# Altium PCB PCB1.PcbDoc (part 1 of 2)
Units mm, origin at the board's own origin, x right, y up, seen from the top; angles counter-clockwise.
Board outline 100 x 68 mm, 2 copper layers (Top Layer, Bottom Layer); 243 components, 316 nets, 1155 pads, 13 vias.
Unrouted connection lines stored in the file: 557.
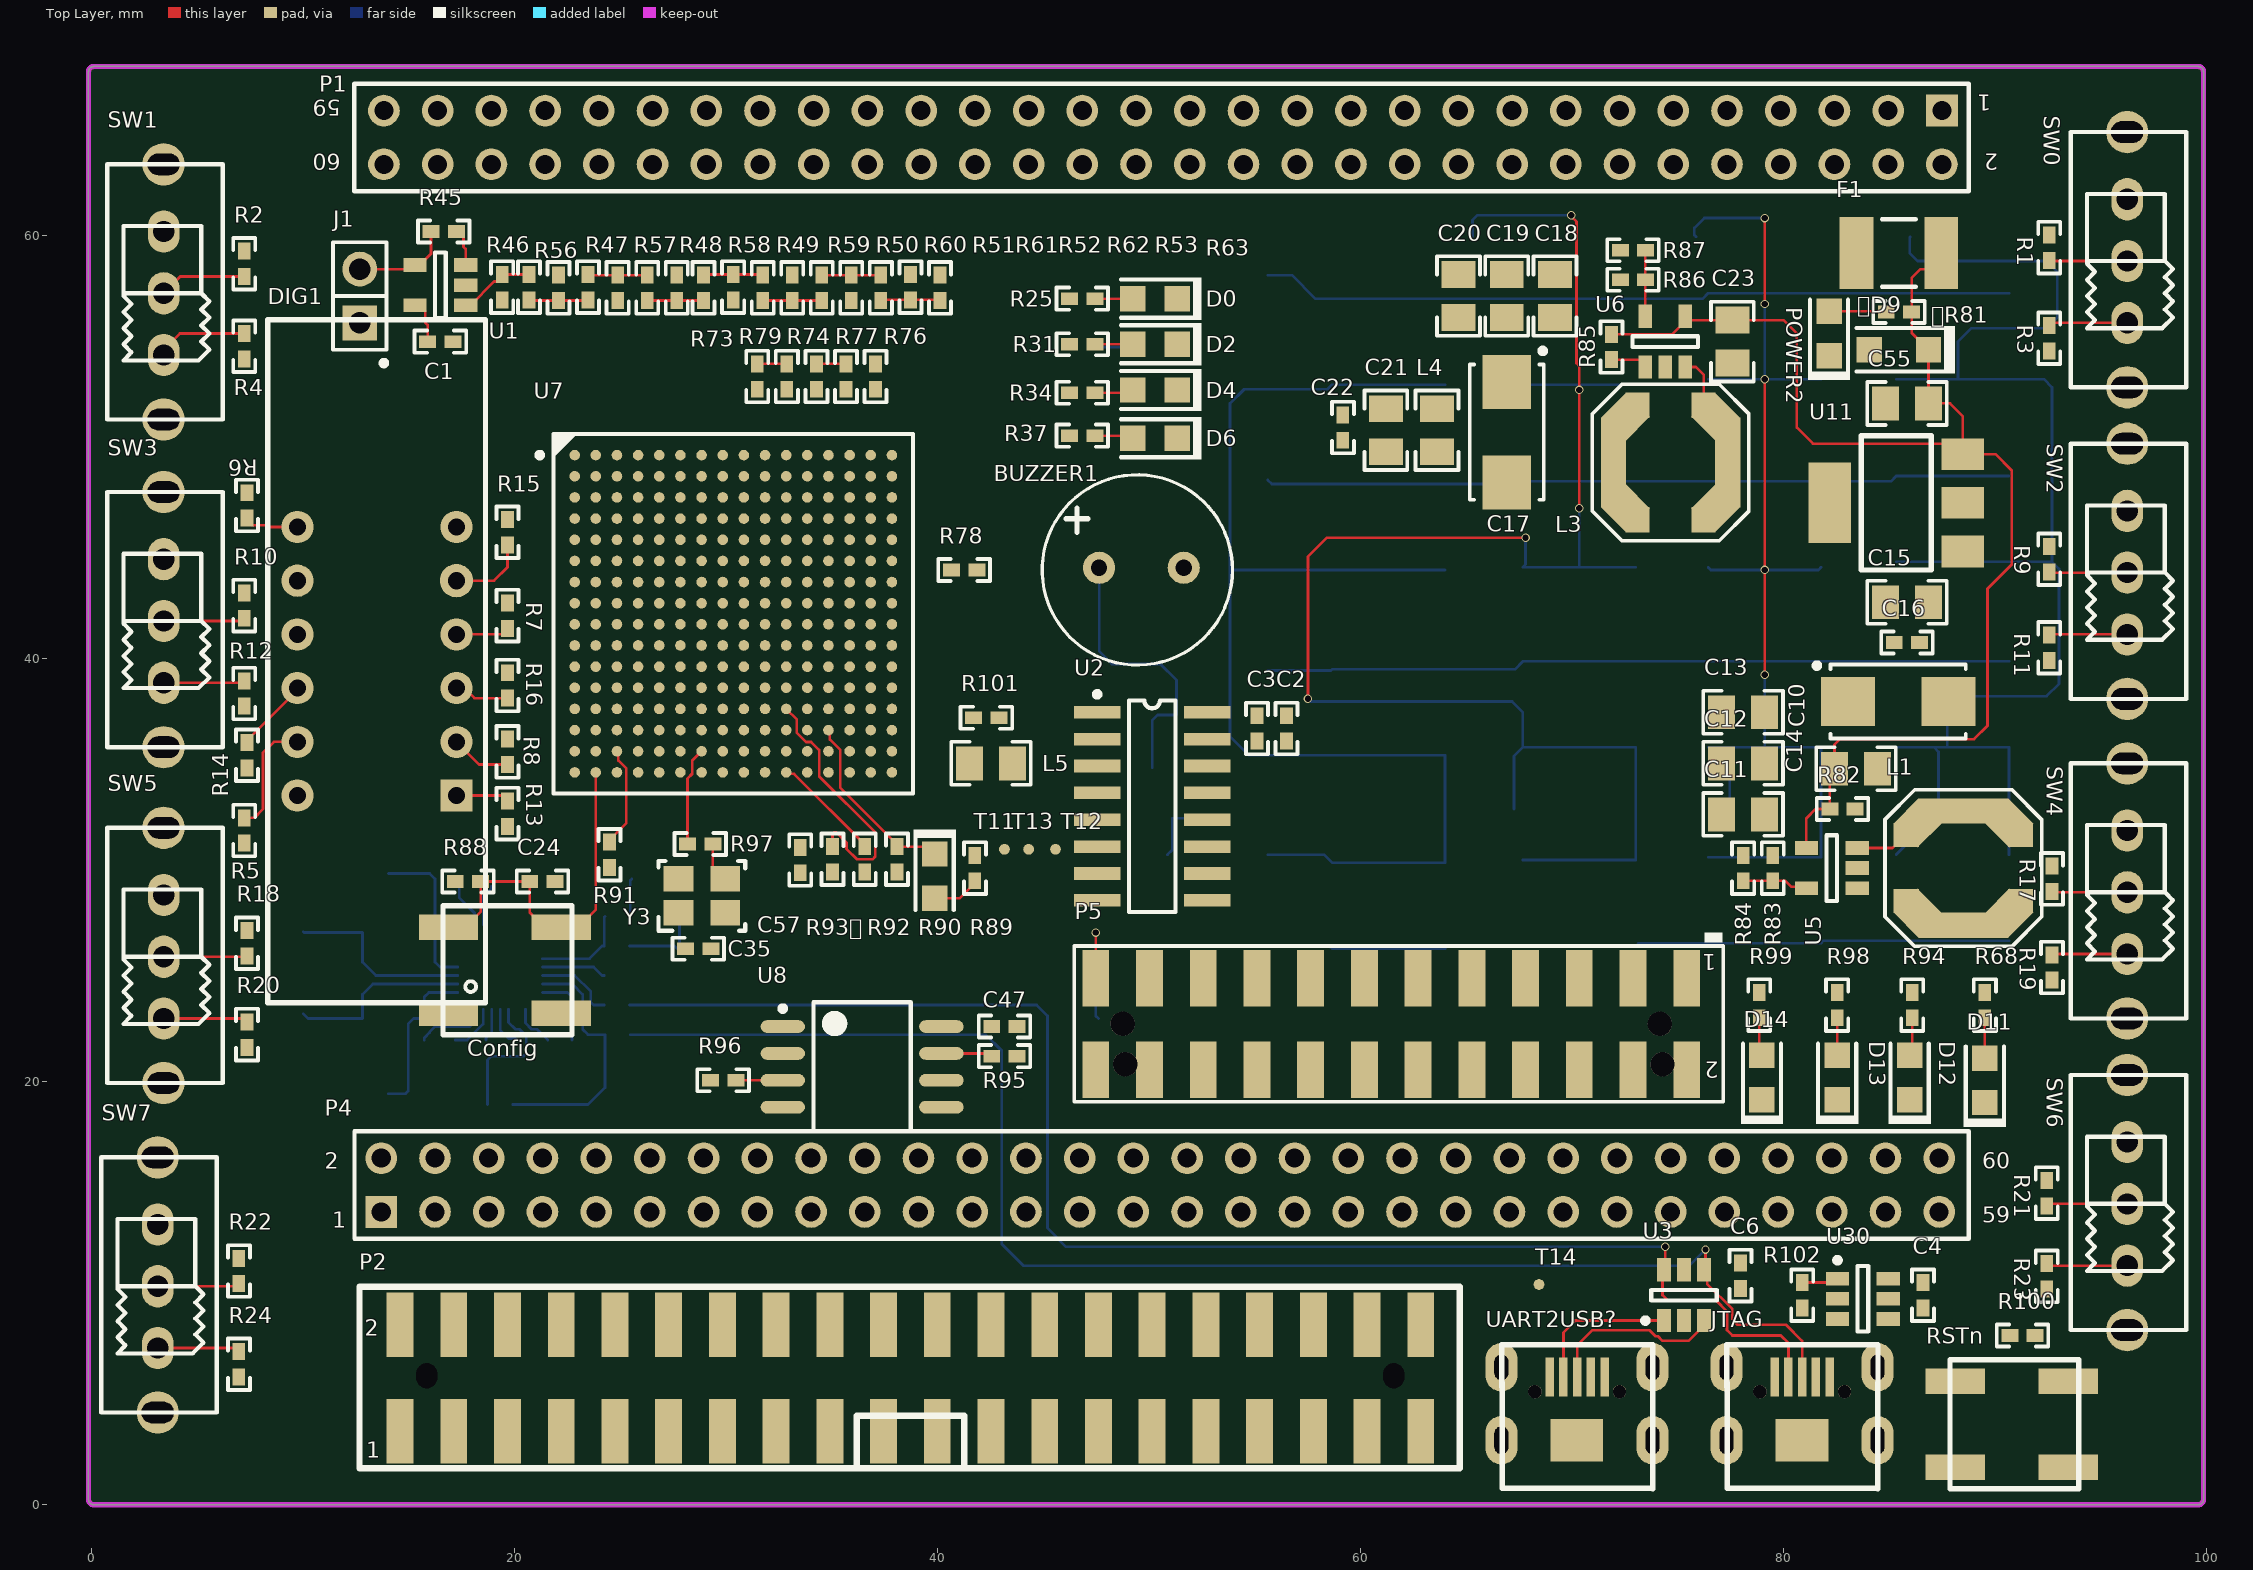
[diagram p0: Top Layer view]
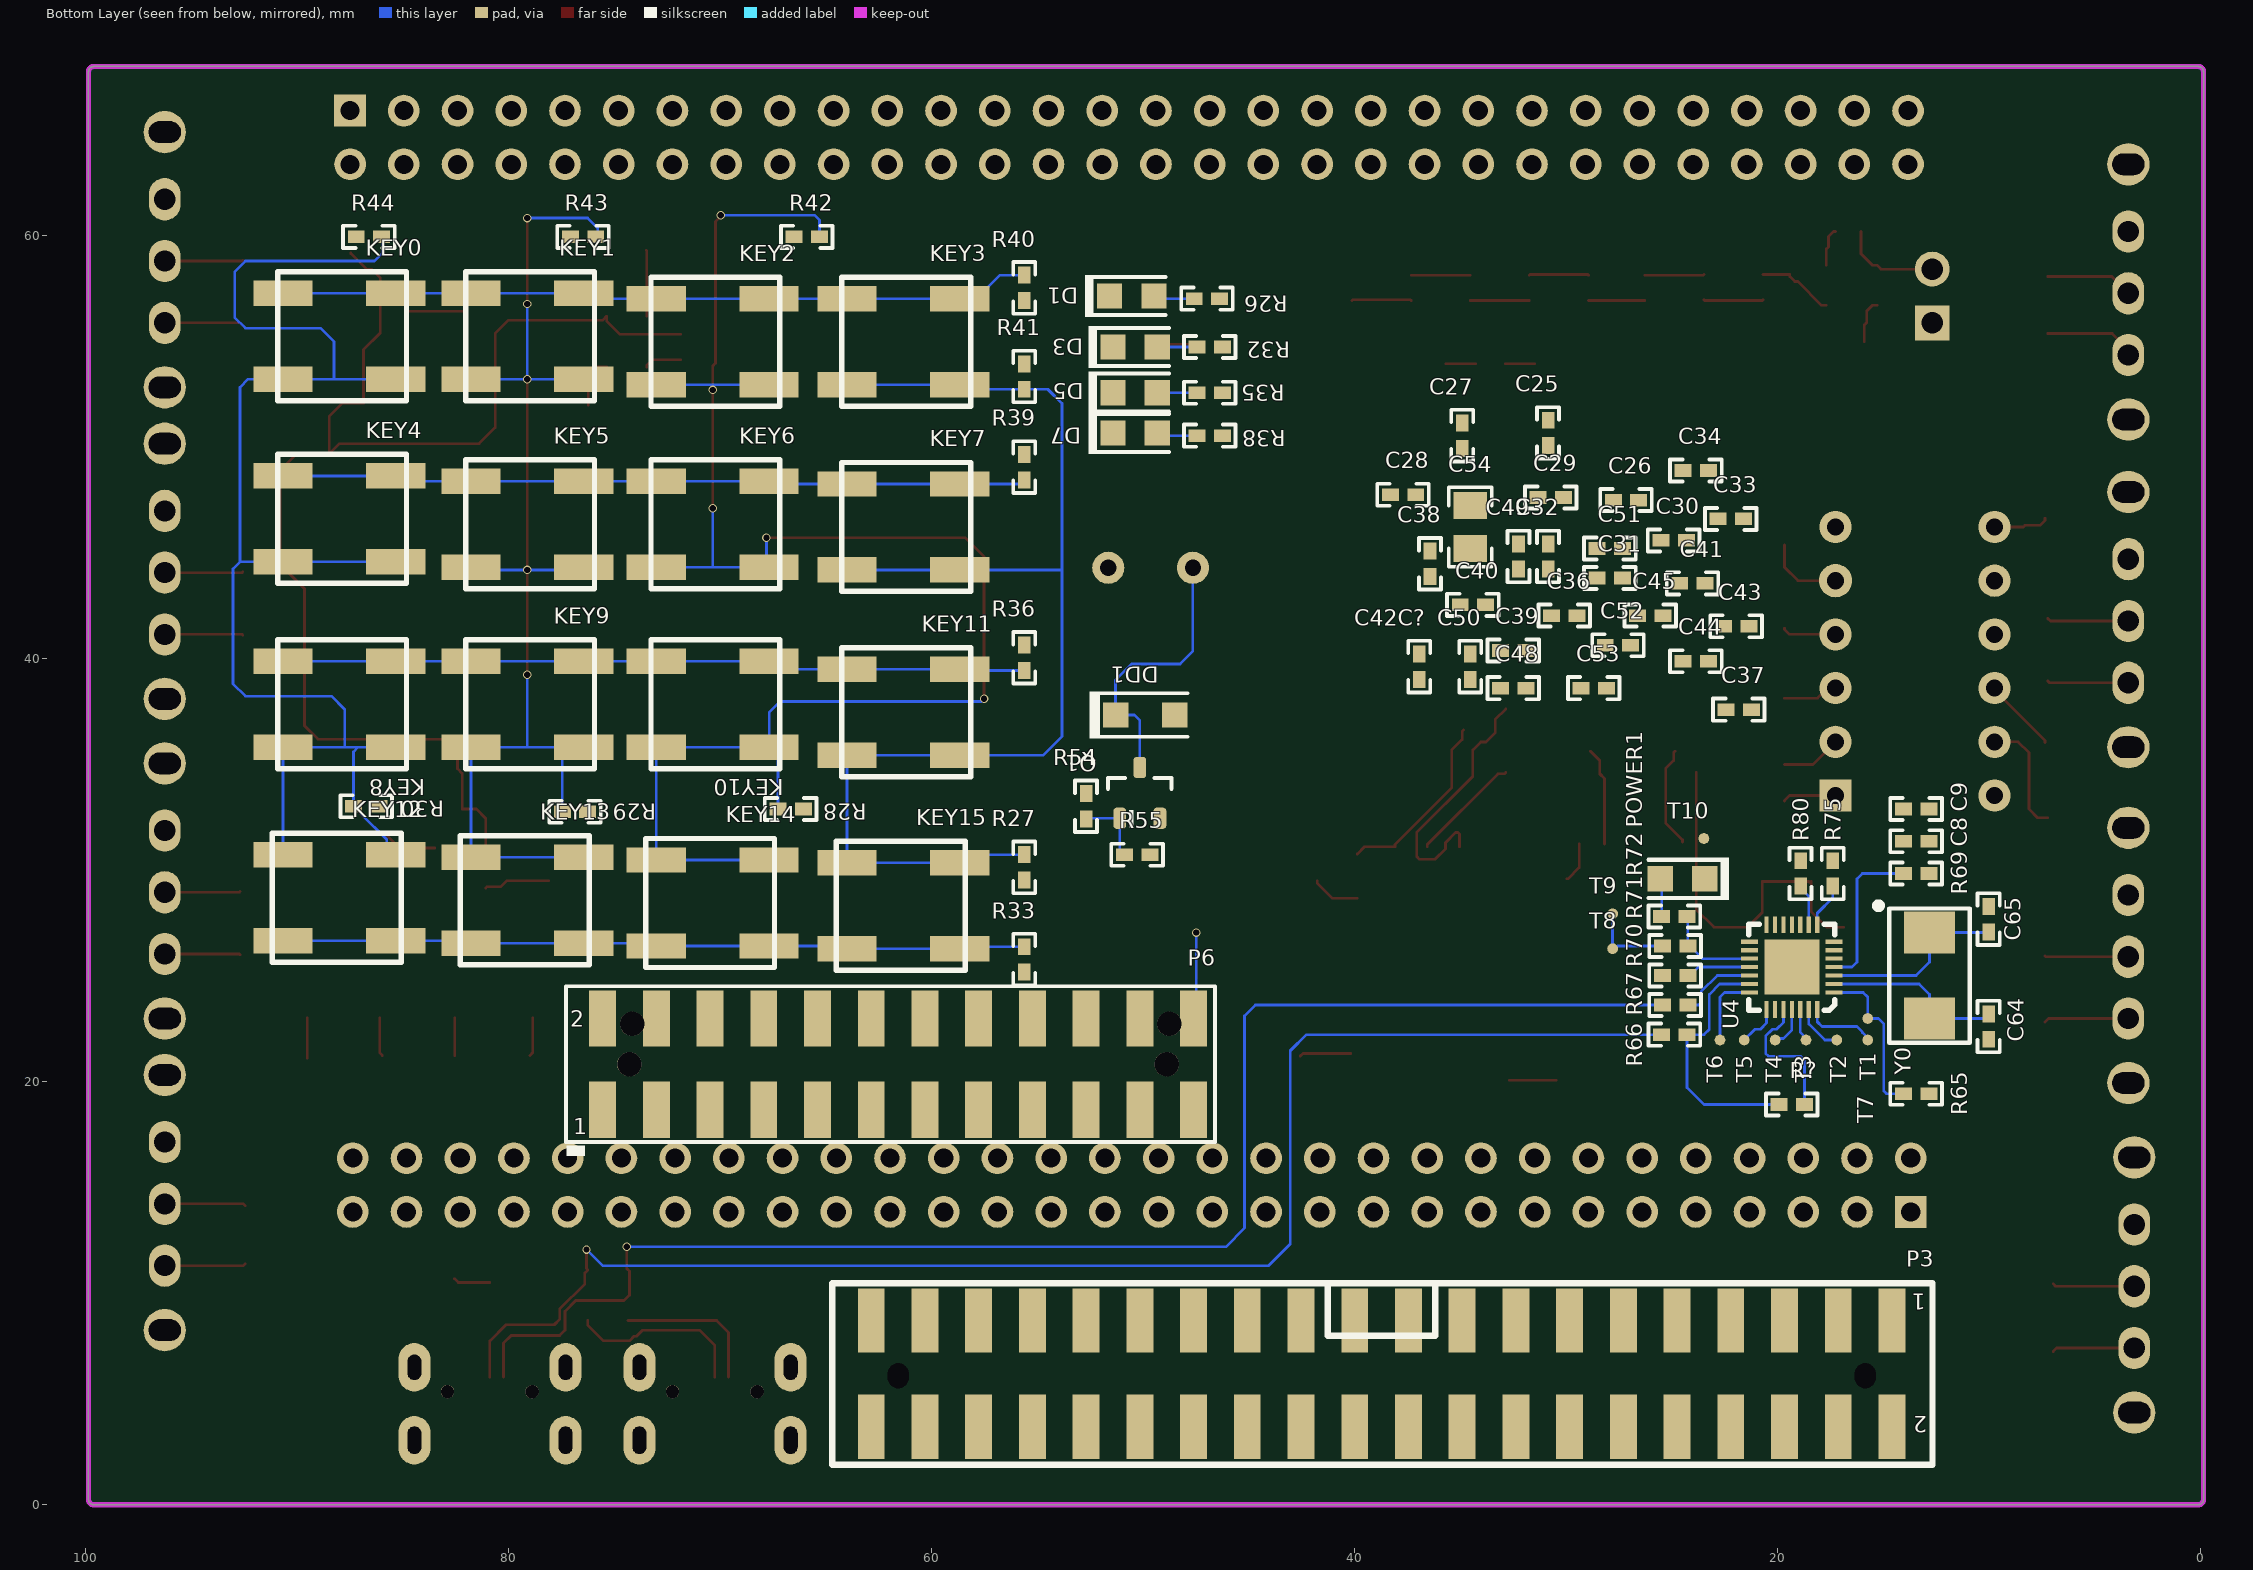
[diagram p1: Bottom Layer view, seen from below]

## Layer stack, top to bottom
Top Solder: solder mask 0.0102, Solder Resist, Dk 3.5
Top Layer: signal copper 0.0356
Dielectric 1: dielectric 0.32, FR-4, Dk 4.8
Bottom Layer: signal copper 0.0356
Bottom Solder: solder mask 0.0102, Solder Resist, Dk 3.5

## Board outline
-0.127,0.254 -0.127,67.746 cw(c0.127,67.746) 0.127,68 99.619,68 cw(c99.619,67.746) 99.873,67.746 99.873,0.254 cw(c99.619,0.254) 99.619,0 0.127,0 cw(c0.127,0.254)

## Design rules (kind name [scope] priority, off if disabled: settings)
Clearance [All] p1: gap=0.127 ignorepadtopadclearanceinfootprint=FALSE
PolygonConnect [All] p1: connectstyle=Relief reliefconductorwidth=0.254 reliefentries=4 polygonreliefangle="90 Angle" airgapwidth=0.254
RoutingVias [All] p1: holewidth=0.3 width=0.4 viastyle="Through Hole" minholewidth=0.3 minwidth=0.4 maxholewidth=0.3 maxwidth=0.4
SolderMaskExpansion [All] p1: expansion=0.102 istentingtop=FALSE
Width [All] p1: maxlimit=0.254 minlimit=0.127 preferedwidth=0.127
30 further rules are at their usual default settings.

## Components (designator, comment, footprint, x,y, rotation, side; value= is the part's Value field where it differs from the comment)
D9 "1N5819" SOD-123F 85.471,54.61 r180 top value=20V (schematic designator D9)
R81 "CRCW04022K21FKED" 0402 85.471,56.388 r180 top value=2.21k (schematic designator R81)
BUZZER1 "直插9040无源蜂鸣器" BUZZER_9*9_4MM 49.657,44.196 r0 top value={Value}
C1 "C1005X7R1H104M" 0402 16.51,54.991 r0 top value=0.1uF
C2 "C1005X7R1H104M" 0402 56.515,36.703 r270 top value=0.1uF
C3 "C1005X7R1H104M" 0402 55.118,36.703 r270 top value=0.1uF
C4 "C1005X7R1H104M" 0402 86.614,9.906 r270 top value=0.1uF
C6 "C1005X7R1H104M" 0402 77.978,10.83 r90 top value=0.1uF
C8 "GRM1555C1H220FA01D" 0402 13.462,31.369 r0 bottom value=22pF
C9 "C1005X7R1H104M" 0402 13.462,32.893 r0 bottom value=0.1uF
C10 "Y" 6032-28 85.433,37.973 r0 top value=22uF
C11 "GRM21BC81C475KA88L" 0805_HV 78.105,32.639 r180 top value=4.7uF
C12 "GRM21BC81C475KA88L" 0805_HV 78.105,35.052 r180 top value=4.7uF
C13 "GRM21BC81C475KA88L" 0805_HV 78.105,37.465 r180 top value=4.7uF
C14 "GRM21BC81C475KA88L" 0805_HV 83.439,34.798 r0 top value=4.7uF
C15 "GRM21BC81C475KA88L" 0805_HV 85.852,42.672 r0 top value=4.7uF
C16 "C1005X7R1H104M" 0402 85.852,40.767 r0 top value=0.1uF
C17 "Y" 6032-28 66.929,50.711 r270 top value=22uF
C18 "GRM21BC81C475KA88L" 0805_HV 69.215,57.15 r90 top value=4.7uF
C19 "GRM21BC81C475KA88L" 0805_HV 66.929,57.15 r90 top value=4.7uF
C20 "GRM21BC81C475KA88L" 0805_HV 64.643,57.15 r90 top value=4.7uF
C21 "GRM21BC81C475KA88L" 0805_HV 61.214,50.8 r90 top value=4.7uF
C22 "C1005X7R1H104M" 0402 59.182,50.927 r90 top value=0.1uF
C23 "GRM21BC81C475KA88L" 0805_HV 77.597,54.991 r270 top value=4.7uF
C24 "C1005X7R1H104M" 0402 21.336,29.464 r0 top value=0.1uF
C25 "C1005X7R1H104M" 0402 30.861,50.673 r90 bottom value=0.1uF
C26 "C1005X7R1H104M" 0402 27.178,47.498 r180 bottom value=0.1uF
C27 "C1005X7R1H104M" 0402 34.925,50.546 r90 bottom value=0.1uF
C28 "C0402C103J5RACTU" 0402 37.719,47.752 r0 bottom value=0.01uF
C29 "C1005X7R1H104M" 0402 30.734,47.625 r180 bottom value=0.1uF
C30 "C1005X7R1H104M" 0402 24.927,45.593 r180 bottom value=0.1uF
C31 "C1005X7R1H104M" 0402 27.94,43.815 r180 bottom value=0.1uF
C32 "C0402C103J5RACTU" 0402 30.861,44.831 r90 bottom value=0.01uF
C33 "C1005X7R1H104M" 0402 22.225,46.609 r180 bottom value=0.1uF
C34 "C1005X7R1H104M" 0402 23.876,48.895 r180 bottom value=0.1uF
C35 "C1005X7R1H104M" 0402 28.702,26.289 r180 top value=0.1uF
C36 "C1005X7R1H104M" 0402 30.099,42.037 r180 bottom value=0.1uF
C37 "C1005X7R1H104M" 0402 21.844,37.592 r180 bottom value=0.1uF
C38 "C1005X7R1H104M" 0402 36.449,44.485 r90 bottom value=0.1uF
C39 "C0402C103J5RACTU" 0402 32.512,40.386 r180 bottom value=0.01uF
C40 "C1005X7R1H104M" 0402 34.417,42.545 r180 bottom value=0.1uF
C41 "C1005X7R1H104M" 0402 24.038,43.561 r180 bottom value=0.1uF
C42C? "C1005X7R1H104M" 0402 36.957,39.624 r90 bottom value=0.1uF
C43 "C0402C103J5RACTU" 0402 21.971,41.529 r180 bottom value=0.01uF
C44 "C1005X7R1H104M" 0402 23.876,39.878 r180 bottom value=0.1uF
C45 "C1005X7R1H104M" 0402 26.035,42.037 r180 bottom value=0.1uF
C47 "C1005X7R1H104M" 0402 43.18,22.606 r0 top value=0.1uF
C48 "C1005X7R1H104M" 0402 32.512,38.608 r0 bottom value=0.1uF
C49 "C1005X7R1H104M" 0402 32.258,44.831 r90 bottom value=0.1uF
C50 "C1005X7R1H104M" 0402 34.544,39.624 r270 bottom value=0.1uF
C51 "C0402C103J5RACTU" 0402 27.94,45.212 r180 bottom value=0.01uF
C52 "C1005X7R1H104M" 0402 27.559,40.64 r180 bottom value=0.1uF
C53 "C1005X7R1H104M" 0402 28.702,38.608 r180 bottom value=0.1uF
C54 "GRM21BC81C475KA88L" 0805_HV 34.544,46.228 r90 bottom value=4.7uF
C55 "GRM21BC81C475KA88L" 0805_HV 85.852,52.07 r180 top value=4.7uF
C57 "C1005X7R1H104M" 0402 33.528,30.48 r270 top value=0.1uF
C64 "GRM1555C1H220FA01D" 0402 10.033,22.606 r270 bottom value=22pF
C65 "GRM1555C1H220FA01D" 0402 10.033,27.686 r90 bottom value=22pF
Config "贴片按键" "BUTTOM_T_6*6 *4.3" 19.685,25.273 r0 top
D0 "LED 红色" LED_LTST-C170 50.292,57.023 r0 top
D1 "LED 红色" LED_LTST-C170 50.546,57.15 r0 bottom
D2 "LED 红色" LED_LTST-C170 50.292,54.864 r0 top
D3 "LED 红色" LED_LTST-C170 50.385,54.737 r0 bottom
D4 "LED 红色" LED_LTST-C170 50.292,52.705 r0 top
D5 "LED 红色" LED_LTST-C170 50.385,52.578 r0 bottom
D6 "LED 红色" LED_LTST-C170 50.292,50.419 r0 top
D7 "LED 红色" LED_LTST-C170 50.385,50.673 r0 bottom
D11 "LED 红色" LED_LTST-C170 89.535,20.066 r270 top
D12 "LED 红色" LED_LTST-C170 85.979,20.193 r270 top
D13 "LED 红色" LED_LTST-C170 82.55,20.193 r270 top
D14 "LED 红色" LED_LTST-C170 78.994,20.193 r270 top
DD1 "1N5819" SOD-123F 49.911,37.338 r180 bottom value=20V
DIG1 "CS32841A" CS2845AUR 14.324,40.259 r90 top
F1 "SMD1812P050TF" 1812 85.471,59.182 r0 top
J1 "Y" Samtec_HTSW-102-07-G-S 12.7,57.15 r90 top
JTAG "micro-usb-sj20" YQMICRO-USB-SJ20 77.339,3.023 r90 top
KEY0 "贴片按键" "BUTTOM_T_6*6 *4.3" 87.884,55.245 r180 bottom
KEY1 "贴片按键" "BUTTOM_T_6*6 *4.3" 78.994,55.245 r180 bottom
KEY2 "贴片按键" "BUTTOM_T_6*6 *4.3" 70.231,54.991 r180 bottom
KEY3 "贴片按键" "BUTTOM_T_6*6 *4.3" 61.214,54.991 r180 bottom
KEY4 "贴片按键" "BUTTOM_T_6*6 *4.3" 87.884,46.609 r180 bottom
KEY5 "贴片按键" "BUTTOM_T_6*6 *4.3" 78.994,46.355 r180 bottom
KEY6 "贴片按键" "BUTTOM_T_6*6 *4.3" 70.231,46.355 r180 bottom
KEY7 "贴片按键" "BUTTOM_T_6*6 *4.3" 61.214,46.228 r180 bottom
KEY8 "贴片按键" "BUTTOM_T_6*6 *4.3" 87.884,37.846 r180 bottom
KEY9 "贴片按键" "BUTTOM_T_6*6 *4.3" 78.994,37.846 r180 bottom
KEY10 "贴片按键" "BUTTOM_T_6*6 *4.3" 70.231,37.846 r180 bottom
KEY11 "贴片按键" "BUTTOM_T_6*6 *4.3" 61.214,37.465 r180 bottom
KEY12 "贴片按键" "BUTTOM_T_6*6 *4.3" 88.138,28.702 r0 bottom
KEY13 "贴片按键" "BUTTOM_T_6*6 *4.3" 79.248,28.575 r0 bottom
KEY14 "贴片按键" "BUTTOM_T_6*6 *4.3" 70.485,28.448 r0 bottom
KEY15 "贴片按键" "BUTTOM_T_6*6 *4.3" 61.468,28.321 r0 bottom
L1 "SWPA6028S4R7MT" LPS6225 88.519,30.099 r270 top value=10uH
L3 "SWPA6028S4R7MT" LPS6225 74.676,49.276 r180 top value=10uH
L4 "GZ2012V121TF" 0805_HV 63.627,50.8 r270 top value="120 ohm"
L5 "GZ2012V121TF" 0805_HV 42.545,35.052 r0 top value="120 ohm"
P1 "Y" HDR2X30 87.503,65.913 r180 top
P2 "贴片2.54mm，2x20,双排母,有固定柱" DC3-40P-T-MIMI 14.605,4.699 r0 top
P3 "贴片2.54mm，2x20,双排母,有固定柱" DC3-40P-T-MIMI 14.605,7.493 r0 bottom
P4 "Y" HDR2X30 13.716,13.843 r0 top
P5 "Y" YQ2*12-SMT 61.468,22.733 r90 top
P6 "Header 12X2  贴片黄色排母,有固定柱" YQ2*12-SMT 61.595,20.828 r270 bottom
POWER1 "LED 红色" LED_LTST-C170 24.511,29.591 r180 bottom
POWER2 "LED 红色" LED_LTST-C170 82.169,55.372 r270 top
Q1 "MMBT3906" SOT-23 50.165,33.655 r90 bottom value="40 V"
R1 "CRCW04021K00FKED" 0402 92.583,59.436 r270 top value=1.00k
R2 "CRCW04021K00FKED" 0402 7.239,58.674 r270 top value=1.00k
R3 "CRCW04021K00FKED" 0402 92.583,55.153 r270 top value=1.00k
R4 "CRCW04021K00FKED" 0402 7.239,54.772 r270 top value=1.00k
R5 "RG1005P-301-B-T5" 0402 7.239,31.877 r90 top value=300
R6 "RG1005P-301-B-T5" 0402 7.366,47.244 r270 top value=300
R7 "RG1005P-301-B-T5" 0402 19.685,42.037 r270 top value=300
R8 "RG1005P-301-B-T5" 0402 19.685,35.595 r270 top value=300
R9 "CRCW04021K00FKED" 0402 92.583,44.704 r270 top value=1.00k
R10 "CRCW04021K00FKED" 0402 7.239,42.51 r270 top value=1.00k
R11 "CRCW04021K00FKED" 0402 92.583,40.513 r270 top value=1.00k
R12 "CRCW04021K00FKED" 0402 7.239,38.354 r270 top value=1.00k
R13 "RG1005P-301-B-T5" 0402 19.685,32.674 r90 top value=300
R14 "RG1005P-301-B-T5" 0402 7.366,35.433 r90 top value=300
R15 "RG1005P-301-B-T5" 0402 19.685,45.974 r270 top value=300
R16 "RG1005P-301-B-T5" 0402 19.685,38.735 r270 top value=300
R17 "CRCW04021K00FKED" 0402 92.71,29.591 r270 top value=1.00k
R18 "CRCW04021K00FKED" 0402 7.366,26.543 r270 top value=1.00k
R19 "CRCW04021K00FKED" 0402 92.71,25.4 r270 top value=1.00k
R20 "CRCW04021K00FKED" 0402 7.366,22.225 r270 top value=1.00k
R21 "CRCW04021K00FKED" 0402 92.456,14.732 r270 top value=1.00k
R22 "CRCW04021K00FKED" 0402 6.985,11.049 r270 top value=1.00k
R23 "CRCW04021K00FKED" 0402 92.456,10.795 r270 top value=1.00k
R24 "CRCW04021K00FKED" 0402 6.985,6.639 r270 top value=1.00k
R25 "CRCW04022K21FKED" 0402 46.863,57.023 r0 top value=2.21k
R26 "CRCW04022K21FKED" 0402 46.99,57.023 r0 bottom value=2.21k
R27 "CRCW040210K0FKED" 0402 55.626,30.134 r270 bottom value=10.0k
R28 "CRCW040210K0FKED" 0402 66.675,32.893 r180 bottom value=10.0k
R29 "CRCW040210K0FKED" 0402 76.87,32.766 r180 bottom value=10.0k
R30 "CRCW040210K0FKED" 0402 86.741,33.02 r180 bottom value=10.0k
R31 "CRCW04022K21FKED" 0402 46.863,54.864 r0 top value=2.21k
R32 "CRCW04022K21FKED" 0402 46.863,54.737 r0 bottom value=2.21k
R33 "CRCW0402100RFKED" 0402 55.626,25.781 r90 bottom value=100
R34 "CRCW04022K21FKED" 0402 46.863,52.578 r0 top value=2.21k
R35 "CRCW04022K21FKED" 0402 46.863,52.578 r0 bottom value=2.21k
R36 "CRCW0402100RFKED" 0402 55.626,40.04 r270 bottom value=100
R37 "CRCW04022K21FKED" 0402 46.863,50.546 r0 top value=2.21k
R38 "CRCW04022K21FKED" 0402 46.863,50.546 r0 bottom value=2.21k
R39 "CRCW0402100RFKED" 0402 55.626,49.057 r270 bottom value=100
R40 "CRCW0402100RFKED" 0402 55.626,57.531 r90 bottom value=100
R41 "CRCW0402100RFKED" 0402 55.626,53.34 r270 bottom value=100
R42 "CRCW0402100RFKED" 0402 65.913,59.944 r180 bottom value=100
R43 "CRCW0402100RFKED" 0402 76.489,59.944 r180 bottom value=100
R44 "CRCW0402100RFKED" 0402 86.614,59.944 r180 bottom value=100
R45 "CRCW04021K00FKED" 0402 16.672,60.198 r0 top value=1.00k
R46 "CRCW040220K0FKED" 0402 19.431,57.566 r270 top value=20.0k
R47 "CRCW040220K0FKED" 0402 22.098,57.531 r90 top value=20.0k
R48 "CRCW040220K0FKED" 0402 24.892,57.531 r270 top value=20.0k
R49 "CRCW040220K0FKED" 0402 27.686,57.531 r90 top value=20.0k
R50 "CRCW040220K0FKED" 0402 30.353,57.566 r270 top value=20.0k
R51 "CRCW040220K0FKED" 0402 33.147,57.531 r90 top value=20.0k
R52 "CRCW040220K0FKED" 0402 35.941,57.531 r270 top value=20.0k
R53 "CRCW040220K0FKED" 0402 38.735,57.566 r90 top value=20.0k
R54 "CRCW040210K0FKED" 0402 52.705,33.02 r90 bottom value=10.0k
R55 "CRCW04022K21FKED" 0402 50.292,30.734 r0 bottom value=2.21k
R56 "CRCW040210K0FKED" 0402 20.701,57.566 r270 top value=10.0k
R57 "CRCW040210K0FKED" 0402 23.495,57.566 r90 top value=10.0k
R58 "CRCW040210K0FKED" 0402 26.289,57.531 r270 top value=10.0k
R59 "CRCW040210K0FKED" 0402 28.956,57.531 r90 top value=10.0k
R60 "CRCW040210K0FKED" 0402 31.75,57.531 r270 top value=10.0k
R61 "CRCW040210K0FKED" 0402 34.544,57.531 r90 top value=10.0k
R62 "CRCW040210K0FKED" 0402 37.338,57.531 r270 top value=10.0k
R63 "CRCW040220K0FKED" 0402 40.132,57.531 r270 top value=20.0k
R65 "CRCW040210K0FKED" 0402 13.462,19.431 r0 bottom value=10.0k
R66 "CRCW040222R1FKED" 0402 24.892,22.225 r0 bottom value=22.1
R67 "CRCW040222R1FKED" 0402 24.857,23.622 r0 bottom value=22.1
R68 "CRCW04022K21FKED" 0402 89.535,23.622 r270 top value=2.21k
R69 "CRCW04021K50FKED" 0402 13.462,29.845 r0 bottom value=1.50k
R70 "CRCW04020000Z0ED" 0402 24.857,25.019 r0 bottom value=0
R71 "CRCW04020000Z0ED" 0402 24.857,26.416 r0 bottom value=0
R72 "CRCW04022K21FKED" 0402 24.892,27.813 r180 bottom value=2.21k
R73 "CRCW04024K75FKED" 0402 31.496,53.34 r270 top value=4.75k
R74 "CRCW04024K75FKED" 0402 34.29,53.34 r270 top value=4.75k
R75 "CRCW04020000Z0ED" 0402 17.399,29.845 r270 bottom value=0
R76 "CRCW04020000Z0ED" 0402 37.084,53.34 r270 top value=0
R77 "CRCW04020000Z0ED" 0402 35.687,53.34 r270 top value=0
R78 "CRCW04020000Z0ED" 0402 41.275,44.196 r180 top value=0
R79 "CRCW04020000Z0ED" 0402 32.893,53.34 r270 top value=0
R80 "CRCW04020000Z0ED" 0402 18.923,29.845 r270 bottom value=0
R82 "CRCW040210K0FKED" 0402 82.804,32.893 r0 top value=10.0k
R83 "CRCW040210K0FKED" 0402 79.502,30.099 r90 top value=10.0k
R84 "CRCW040210K0FKED" 0402 78.105,30.099 r270 top value=10.0k
R85 "CRCW040210K0FKED" 0402 71.882,54.737 r270 top value=10.0k
R86 "CRCW040249K9FKED" 0402 72.898,57.912 r180 top value=49.9k
R87 "CRCW040211K0FKED" 0402 72.898,59.309 r0 top value=11.0k
R88 "CRCW040210K0FKED" 0402 17.815,29.464 r180 top value=10.0k
R89 "CRCW04022K21FKED" 0402 41.783,30.099 r90 top value=2.21k
R90 "CRCW040210K0FKED" 0402 38.1,30.515 r270 top value=10.0k
R91 "CRCW040210K0FKED" 0402 24.511,30.734 r270 top value=10.0k
R92 "CRCW0402470RJNED" 0402 36.576,30.515 r90 top value=470
R93 "CRCW0402470RJNED" 0402 35.052,30.515 r90 top value=470 (schematic designator R93)
R94 "CRCW04022K21FKED" 0402 86.106,23.622 r270 top value=2.21k
R95 "CRCW04022K21FKED" 0402 43.18,21.209 r0 top value=2.21k
R96 "CRCW04022K21FKED" 0402 29.88,20.066 r180 top value=2.21k
R97 "CRCW040222R1FKED" 0402 28.794,31.242 r180 top value=22.1
R98 "CRCW04022K21FKED" 0402 82.55,23.622 r270 top value=2.21k
R99 "CRCW04022K21FKED" 0402 78.867,23.622 r270 top value=2.21k
R100 "CRCW040210K0FKED" 0402 91.313,8.001 r180 top value=10.0k
R101 "CRCW040222R1FKED" 0402 42.326,37.211 r180 top value=22.1
R102 "CRCW040222R1FKED" 0402 80.899,9.906 r90 top value=22.1
R? "CRCW04021K50FKED" 0402 19.339,18.923 r0 bottom value=1.50k
RSTn "贴片按键" "BUTTOM_T_6*6 *4.3" 90.932,3.81 r0 top
SW0 "SS-12F44(1P2T)" SS-12F44(1P2T) 96.266,58.801 r90 top
SW1 "SS-12F44(1P2T)" SS-12F44(1P2T) 3.429,57.277 r90 top
SW2 "SS-12F44(1P2T)" SS-12F44(1P2T) 96.266,44.069 r90 top
SW3 "SS-12F44(1P2T)" SS-12F44(1P2T) 3.429,41.783 r90 top
SW4 "SS-12F44(1P2T)" SS-12F44(1P2T) 96.266,28.956 r90 top
SW5 "SS-12F44(1P2T)" SS-12F44(1P2T) 3.429,25.908 r90 top
SW6 "SS-12F44(1P2T)" SS-12F44(1P2T) 96.266,14.224 r90 top
SW7 "SS-12F44(1P2T)" SS-12F44(1P2T) 3.148,10.328 r90 top
T1 "5000" TP 15.748,21.971 r90 bottom value=Red
T2 "5000" TP 17.209,21.971 r90 bottom value=Red
T3 "5000" TP 18.669,21.971 r90 bottom value=Red
T4 "5000" TP 20.13,21.971 r90 bottom value=Red
T5 "5000" TP 21.59,21.971 r90 bottom value=Red
T6 "5000" TP 22.733,21.971 r90 bottom value=Red
T7 "5000" TP 15.748,22.987 r90 bottom value=Red
T8 "5000" TP 27.813,26.289 r90 bottom value=Red
T9 "5000" TP 27.813,27.94 r90 bottom value=Red
T10 "5000" TP 23.495,31.496 r0 bottom value=Red
T11 "5000" TP 43.18,30.988 r90 top value=Red
T12 "5000" TP 45.593,30.988 r90 top value=Red
T13 "5000" TP 44.323,30.988 r90 top value=Red
T14 "5000" TP 68.453,10.414 r90 top value=Red
U1 "SGM321YN5/TR" DBV0005A_N 16.51,57.658 r180 top
U2 "CH340G" SOP16M 50.165,33.02 r270 top
U3 "AZC002-04S" DBV0006A_N 75.311,9.906 r90 top
U4 "GD32F150G8U6" WQFN-28_L4.0-W4.0-P0.40-BL-EP 19.336,25.419 r90 bottom
U5 "RT8097CHGB" DBV0005A_N 82.296,30.099 r180 top
U6 "RT8097VHGB" DBV0005A_N 74.422,54.991 r90 top
U7 "EG4S20BG256" FBGA256 30.361,42.124 r0 top
U8 "W25Q16" MICT-MW-8_N 36.449,20.701 r0 top
U11 "LD1117-3.3" SOT223-L 85.344,47.371 r0 top
U30 "TIimer" DBV0006A_N 83.767,9.736 r0 top
UART2USB? "micro-usb-sj20" YQMICRO-USB-SJ20 66.7,3.023 r90 top
Y0 "ABLS-12.000MHZ-B4-T" YQ_OSC5032 12.827,25.019 r270 bottom
Y3 "7X-24.000MBB-T" XTAL_NX3225SA 28.872,28.791 r90 top
? "" LED_LTST-C170 39.878,29.718 r90 top

## Footprints (in the part's own frame and the unit in brackets; to place one, negate y for a bottom-side part, rotate by r counter-clockwise, add the part's x,y. Pads: shape width x height; smd on the part's side, far side on the other; paste and mask are expansions set on the pad)
0402 [mm] "0402 from SM-752 data"
  rect 0.8x0.6 smd: 1(-0.6,0) 2(0.6,0)
  silkscreen extent -1.22,-0.52 1.22,0.52, body extent -0.55,-0.3 0.55,0.3, height 0.6
0805_HV [mil] "0805 with 30mil clearance between pads"
  rect 50x63 smd: 1(-40,0) 2(40,0)
  silkscreen extent -74,-40 74,40, body extent -43,-29 43,29, height 43
1812 [mm]
  rect 1.6x3.4 smd: 1(-2,0) 2(2,0)
  silkscreen extent -0.8,-1.6 0.8,1.6, body extent -2.4,-1.7 2.4,1.7, height 1.35
6032-28 [mm] "Medium Density IPC based on Vishay Sprague 293D datasheet."
  rect 2.55x2.3 smd: 1(-2.375,0) 2(2.375,0)
  silkscreen extent -3.96,-1.75 3.2,1.82, body extent -3.15,-1.75 3.15,1.75, height 2.8
"BUTTOM_T_6*6 *4.3" [mm]
  rect 2.8x1.2 smd: 1(-2.794,2.032) 1(2.54,2.032) 2(-2.794,-2.032) 2(2.54,-2.032)
  silkscreen extent -3.05,-3.05 3.05,3.05
BUZZER_9*9_4MM [mil]
  round 60 hole 30: 1(-78.74,4.05) 2(78.74,4.05)
  silkscreen extent -185,-177 170,177
CS2845AUR [mil] "4位数码管"
  rect 60x60 hole 32: 1(-265,-116.06)
  round 60 hole 32: 2(-165,-116.06) 3(-65,-116.06) 4(35,-116.06) 6(235,-116.06) 7(235,180) 8(135,180) 9(35,180) 10(-65,180) 11(-165,180) 12(-265,180)
  round 62 hole 32: 5(135,-116.06)
  silkscreen extent -650,-170 620,235
DBV0005A_N [mm] "SOT23, 5-Leads, Body 2.9x1.6mm, Pitch 0.95mm, Lead Span 2.8mm, IPC Medium Density"
  rect 1.1x0.65 smd: 1(-1.2,0.95) 2(-1.2,0) 3(-1.2,-0.95) 4(1.2,-0.95) 5(1.2,0.95)
  silkscreen extent -0.25,-1.55 0.25,1.55, body extent -1.42,-1.46 1.42,1.46, height 1.08
DBV0006A_N [mm] "SOT23, 6-Leads, Body 2.9x1.6mm, Pitch 0.95mm, Lead Span 2.8mm, IPC Medium Density"
  rect 1.1x0.65 smd: 1(-1.2,0.95) 2(-1.2,0) 3(-1.2,-0.95) 4(1.2,-0.95) 5(1.2,0) 6(1.2,0.95)
  silkscreen extent -1.32,-1.55 0.25,1.95, body extent -0.87,-1.52 0.87,1.53, height 1.45
DC3-40P-T-MIMI [mil] "Connector; Header; 20x2 Position"
  round 36.37 hole 40.28: 0(50,51.57) 0(1850,51.57)
  rect 50x120 smd: 1(0,-47.87) 2(0,150) 3(100,-47.87) 4(100,150) 5(200,-47.87) 6(200,150) 7(300,-47.87) 8(300,150) 9(400,-47.87) 10(400,150) 11(500,-47.87) 12(500,150) 13(600,-47.87) 14(600,150) 15(700,-47.87) 16(700,150) 17(800,-47.87) 18(800,150) 19(900,-47.87) 20(900,150) 21(1000,-47.87) 22(1000,150) 23(1100,-47.87) 24(1100,150) 25(1200,-47.87) 26(1200,150) 27(1300,-47.87) 28(1300,150) 29(1400,-47.87) 30(1400,150) 31(1500,-47.87) 32(1500,150) 33(1600,-47.87) 34(1600,150) 35(1700,-47.87) 36(1700,150) 37(1800,-47.87) 38(1800,150) 39(1900,-47.87) 40(1900,150)
  silkscreen extent -76,-117 1973,221
FBGA256 [mm] "256-Ball FineLine Ball Grid Array (FBGA256) - Option 1"
  round 0.5 smd: A1(-7.5,7.5) A2(-6.5,7.5) A3(-5.5,7.5) A4(-4.5,7.5) A5(-3.5,7.5) A6(-2.5,7.5) A7(-1.5,7.5) A8(-0.5,7.5) A9(0.5,7.5) A10(1.5,7.5) A11(2.5,7.5) A12(3.5,7.5) A13(4.5,7.5) A14(5.5,7.5) A15(6.5,7.5) A16(7.5,7.5) B1(-7.5,6.5) B2(-6.5,6.5) B3(-5.5,6.5) B4(-4.5,6.5) B5(-3.5,6.5) B6(-2.5,6.5) B7(-1.5,6.5) B8(-0.5,6.5) B9(0.5,6.5) B10(1.5,6.5) B11(2.5,6.5) B12(3.5,6.5) B13(4.5,6.5) B14(5.5,6.5) B15(6.5,6.5) B16(7.5,6.5) C1(-7.5,5.5) C2(-6.5,5.5) C3(-5.5,5.5) C4(-4.5,5.5) C5(-3.5,5.5) C6(-2.5,5.5) C7(-1.5,5.5) C8(-0.5,5.5) C9(0.5,5.5) C10(1.5,5.5) C11(2.5,5.5) C12(3.5,5.5) C13(4.5,5.5) C14(5.5,5.5) C15(6.5,5.5) C16(7.5,5.5) D1(-7.5,4.5) D2(-6.5,4.5) D3(-5.5,4.5) D4(-4.5,4.5) D5(-3.5,4.5) D6(-2.5,4.5) D7(-1.5,4.5) D8(-0.5,4.5) D9(0.5,4.5) D10(1.5,4.5) D11(2.5,4.5) D12(3.5,4.5) D13(4.5,4.5) D14(5.5,4.5) D15(6.5,4.5) D16(7.5,4.5) E1(-7.5,3.5) E2(-6.5,3.5) E3(-5.5,3.5) E4(-4.5,3.5) E5(-3.5,3.5) E6(-2.5,3.5) E7(-1.5,3.5) E8(-0.5,3.5) E9(0.5,3.5) E10(1.5,3.5) E11(2.5,3.5) E12(3.5,3.5) E13(4.5,3.5) E14(5.5,3.5) E15(6.5,3.5) E16(7.5,3.5) F1(-7.5,2.5) F2(-6.5,2.5) F3(-5.5,2.5) F4(-4.5,2.5) F5(-3.5,2.5) F6(-2.5,2.5) F7(-1.5,2.5) F8(-0.5,2.5) F9(0.5,2.5) F10(1.5,2.5) F11(2.5,2.5) F12(3.5,2.5) F13(4.5,2.5) F14(5.5,2.5) F15(6.5,2.5) F16(7.5,2.5) G1(-7.5,1.5) G2(-6.5,1.5) G3(-5.5,1.5) G4(-4.5,1.5) G5(-3.5,1.5) G6(-2.5,1.5) G7(-1.5,1.5) G8(-0.5,1.5) G9(0.5,1.5) G10(1.5,1.5) G11(2.5,1.5) G12(3.5,1.5) G13(4.5,1.5) G14(5.5,1.5) G15(6.5,1.5) G16(7.5,1.5) H1(-7.5,0.5) H2(-6.5,0.5) H3(-5.5,0.5) H4(-4.5,0.5) H5(-3.5,0.5) H6(-2.5,0.5) H7(-1.5,0.5) H8(-0.5,0.5) H9(0.5,0.5) H10(1.5,0.5) H11(2.5,0.5) H12(3.5,0.5) H13(4.5,0.5) H14(5.5,0.5) H15(6.5,0.5) H16(7.5,0.5) J1(-7.5,-0.5) J2(-6.5,-0.5) J3(-5.5,-0.5) J4(-4.5,-0.5) J5(-3.5,-0.5) J6(-2.5,-0.5) J7(-1.5,-0.5) J8(-0.5,-0.5) J9(0.5,-0.5) J10(1.5,-0.5) J11(2.5,-0.5) J12(3.5,-0.5) J13(4.5,-0.5) J14(5.5,-0.5) J15(6.5,-0.5) J16(7.5,-0.5) K1(-7.5,-1.5) K2(-6.5,-1.5) K3(-5.5,-1.5) K4(-4.5,-1.5) K5(-3.5,-1.5) K6(-2.5,-1.5) K7(-1.5,-1.5) K8(-0.5,-1.5) K9(0.5,-1.5) K10(1.5,-1.5) K11(2.5,-1.5) K12(3.5,-1.5) K13(4.5,-1.5) K14(5.5,-1.5) K15(6.5,-1.5) K16(7.5,-1.5) L1(-7.5,-2.5) L2(-6.5,-2.5) L3(-5.5,-2.5) L4(-4.5,-2.5) L5(-3.5,-2.5) L6(-2.5,-2.5) L7(-1.5,-2.5) L8(-0.5,-2.5) L9(0.5,-2.5) L10(1.5,-2.5) L11(2.5,-2.5) L12(3.5,-2.5) L13(4.5,-2.5) L14(5.5,-2.5) L15(6.5,-2.5) L16(7.5,-2.5) M1(-7.5,-3.5) M2(-6.5,-3.5) M3(-5.5,-3.5) M4(-4.5,-3.5) M5(-3.5,-3.5) M6(-2.5,-3.5) M7(-1.5,-3.5) M8(-0.5,-3.5) M9(0.5,-3.5) M10(1.5,-3.5) M11(2.5,-3.5) M12(3.5,-3.5) M13(4.5,-3.5) M14(5.5,-3.5) M15(6.5,-3.5) M16(7.5,-3.5) N1(-7.5,-4.5) N2(-6.5,-4.5) N3(-5.5,-4.5) N4(-4.5,-4.5) N5(-3.5,-4.5) N6(-2.5,-4.5) N7(-1.5,-4.5) N8(-0.5,-4.5) N9(0.5,-4.5) N10(1.5,-4.5) N11(2.5,-4.5) N12(3.5,-4.5) N13(4.5,-4.5) N14(5.5,-4.5) N15(6.5,-4.5) N16(7.5,-4.5) P1(-7.5,-5.5) P2(-6.5,-5.5) P3(-5.5,-5.5) P4(-4.5,-5.5) P5(-3.5,-5.5) P6(-2.5,-5.5) P7(-1.5,-5.5) P8(-0.5,-5.5) P9(0.5,-5.5) P10(1.5,-5.5) P11(2.5,-5.5) P12(3.5,-5.5) P13(4.5,-5.5) P14(5.5,-5.5) P15(6.5,-5.5) P16(7.5,-5.5) R1(-7.5,-6.5) R2(-6.5,-6.5) R3(-5.5,-6.5) R4(-4.5,-6.5) R5(-3.5,-6.5) R6(-2.5,-6.5) R7(-1.5,-6.5) R8(-0.5,-6.5) R9(0.5,-6.5) R10(1.5,-6.5) R11(2.5,-6.5) R12(3.5,-6.5) R13(4.5,-6.5) R14(5.5,-6.5) R15(6.5,-6.5) R16(7.5,-6.5) T1(-7.5,-7.5) T2(-6.5,-7.5) T3(-5.5,-7.5) T4(-4.5,-7.5) T5(-3.5,-7.5) T6(-2.5,-7.5) T7(-1.5,-7.5) T8(-0.5,-7.5) T9(0.5,-7.5) T10(1.5,-7.5) T11(2.5,-7.5) T12(3.5,-7.5) T13(4.5,-7.5) T14(5.5,-7.5) T15(6.5,-7.5) T16(7.5,-7.5)
  silkscreen extent -9.27,-8.5 8.5,8.5, body extent -8.5,-8.5 8.5,8.5, height 2.2
HDR2X30 [mm] "Connector; Header; 30x2 Position"
  rect 1.5x1.5 hole 0.9: 1(0,0)
  round 1.5 hole 0.9: 2(0,2.54) 3(2.54,0) 4(2.54,2.54) 5(5.08,0) 6(5.08,2.54) 7(7.62,0) 8(7.62,2.54) 9(10.16,0) 10(10.16,2.54) 11(12.7,0) 12(12.7,2.54) 13(15.24,0) 14(15.24,2.54) 15(17.78,0) 16(17.78,2.54) 17(20.32,0) 18(20.32,2.54) 19(22.86,0) 20(22.86,2.54) 21(25.4,0) 22(25.4,2.54) 23(27.94,0) 24(27.94,2.54) 25(30.48,0) 26(30.48,2.54) 27(33.02,0) 28(33.02,2.54) 29(35.56,0) 30(35.56,2.54) 31(38.1,0) 32(38.1,2.54) 33(40.64,0) 34(40.64,2.54) 35(43.18,0) 36(43.18,2.54) 37(45.72,0) 38(45.72,2.54) 39(48.26,0) 40(48.26,2.54) 41(50.8,0) 42(50.8,2.54) 43(53.34,0) 44(53.34,2.54) 45(55.88,0) 46(55.88,2.54) 47(58.42,0) 48(58.42,2.54) 49(60.96,0) 50(60.96,2.54) 51(63.5,0) 52(63.5,2.54) 53(66.04,0) 54(66.04,2.54) 55(68.58,0) 56(68.58,2.54) 57(71.12,0) 58(71.12,2.54) 59(73.66,0) 60(73.66,2.54)
  silkscreen extent -1.27,-1.27 75.06,3.81
LED_LTST-C170 [mm] "LITE-ON"
  rect 1.2x1.2 smd: 1(-1.05,0) 2(1.05,0)
  silkscreen extent -1.6,-1 2.2,1, body extent -1.05,-0.67 1.05,0.67, height 1.1
LPS6225 [mm] "Coilcraft recommended land pattern.  Document 554-2, rev 10/6/08"
  rect 1.2x4.25 smd: 1(-2.7,0) 2(2.7,0)
  rect 1.68x1.6 smd rot 45: 1(-2.126,2.151) 2(2.126,-2.151)
  rect 1.68x1.6 smd rot 135: 1(-2.126,-2.151) 2(2.126,2.151)
  rect 1.125x1.2 smd: 1(-1.562,2.7) 1(-1.562,-2.7) 2(1.562,2.7) 2(1.562,-2.7)
  silkscreen extent -3.7,-3.7 3.7,3.7, body extent -3.1,-3.1 3.1,3.1, height 2.52
MICT-MW-8_N [mm] "SOIC, 8-Leads, Body 6.2x6.1mm, Pitch 1.27mm, IPC Medium Density"
  oval 2.1x0.6 smd: 1(-3.75,1.905) 2(-3.75,0.635) 3(-3.75,-0.635) 4(-3.75,-1.905) 5(3.75,-1.905) 6(3.75,-0.635) 7(3.75,0.635) 8(3.75,1.905)
  silkscreen extent -3.87,-3.05 2.3,3.05, body extent -3.1,-3.05 3.1,3.05
Samtec_HTSW-102-07-G-S [mm] "Samtec 100mil, 1x2, 230 mil above insulator"
  rect 1.65x1.65 hole 1.016 mask+0: 1(-1.27,0)
  round 1.65 hole 1.016 mask+0: 2(1.27,0)
  silkscreen extent -3.3,-1.27 2.54,1.27, body extent -2.54,-1.27 2.54,1.27, height 8.38
SOD-123F [mm] "NXP recommended land pattern"
  rect 1.2x1.2 smd paste-0.05: 1(-1.4,0) 2(1.4,0)
  silkscreen extent -2.64,-1.12 2.01,1.12, body extent -1.8,-0.85 1.8,0.85, height 1.2
SOP16M [mm]
  rect 0.6x2.2 smd: 1(-4.445,-2.6) 2(-3.175,-2.6) 3(-1.905,-2.6) 4(-0.635,-2.6) 5(0.635,-2.6) 6(1.905,-2.6) 7(3.175,-2.6) 8(4.445,-2.6) 9(4.445,2.6) 10(3.175,2.6) 11(1.905,2.6) 12(0.635,2.6) 13(-0.635,2.6) 14(-1.905,2.6) 15(-3.175,2.6) 16(-4.445,2.6)
  silkscreen extent -5.42,-2.72 5,1.1
SOT223-L [mm]
  rect 2x1.5 smd: 1(3.15,-2.3) 2(3.15,0) 3(3.15,2.3)
  rect 2x3.8 smd: 4(-3.15,0)
  silkscreen extent -1.65,-3.17 1.65,3.17
SOT-23 [mm] "SOT23, 3-Leads, Body 2.9x1.3mm, Pitch 0.95mm, Lead Span 2.5mm, IPC Medium Density"
  rrect50% 1x0.6 smd: 1(-1.2,0.95) 2(-1.2,-0.95) 3(1.2,0)
  silkscreen extent -1.62,-1.5 0.7,1.5, body extent -1.16,-1.45 1.21,1.45, height 1
SS-12F44(1P2T) [mm]
  round 2 hole 1.016 slot 1.524 at 90 deg: 0(-5.969,0) 0(6.096,0)
  oval 2x1.5 hole 1: 1(-2.921,0) 2(0,0) 3(2.921,0)
  silkscreen extent -5.97,-2.79 6.1,2.67
TP [mil] "test point"
  round 20 smd mask+2: 1(0,0)
WQFN-28_L4.0-W4.0-P0.40-BL-EP [mm]
  rect 0.2x0.8 smd: 1(-1.2,-2) 2(-0.8,-2) 3(-0.4,-2) 4(0,-2) 5(0.4,-2) 6(0.8,-2) 7(1.2,-2) 15(1.2,2) 16(0.8,2) 17(0.4,2) 18(0,2) 19(-0.4,2) 20(-0.8,2) 21(-1.2,2)
  rect 0.8x0.2 smd: 8(2,-1.2) 9(2,-0.8) 10(2,-0.4) 11(2,0) 12(2,0.4) 13(2,0.8) 14(2,1.2) 22(-2,1.2) 23(-2,0.8) 24(-2,0.4) 25(-2,0) 26(-2,-0.4) 27(-2,-0.8) 28(-2,-1.2)
  rect 2.6x2.6 smd: 29(0,0)
  silkscreen extent -2.03,-2.03 2.03,2.03
XTAL_NX3225SA [mm] "NDK NX3225SA recommended land pattern"
  rect 1.2x1.4 smd: 1(-0.8,1.1) 2(-0.8,-1.1) 3(0.8,-1.1) 4(0.8,1.1)
  silkscreen extent -1.65,-2.05 1.65,2.05, body extent -1.3,-1.65 1.3,1.65, height 0.7
YQ2*12-SMT [mil] "with location hole"
  round 45.28 hole 45.28: 0(0,500) 0(0,-500)
  rect 105x50 smd: 1(85,-550) 2(-85,-550) 3(85,-450) 4(-85,-450) 5(85,-350) 6(-85,-350) 7(85,-250) 8(-85,-250) 9(85,-150) 10(-85,-150) 11(85,-50) 12(-85,-50) 13(85,50) 14(-85,50) 15(85,150) 16(-85,150) 17(85,250) 18(-85,250) 19(85,350) 20(-85,350) 21(85,450) 22(-85,450) 23(85,550) 24(-85,550)
  silkscreen extent -145,-618 170,590
YQ_OSC5032 [mm]
  rect 2x2.4 smd: 1(-2.032,0) 2(2.032,0)
  silkscreen extent -3.45,-2.57 3.18,1.91
YQMICRO-USB-SJ20 [mil] "MICRO-USB-SJ20"
  oval 90x60 on Top Paste: 0(1,1) 0(1,-280.5) 0(136.81,1) 0(136.81,-280.5)
  rect 72.83x15.75 smd: 1(118.72,-88.96) 2(118.72,-114.55) 3(118.72,-140.14) 4(118.72,-165.73) 5(118.72,-191.32)
  oval 90x60 hole 25.59 slot 51.18 at 0 deg: 6(1,1) 9(1,-280.5)
  rect 78.74x49.21 smd: 7(1,-115.14) 8(1,-164)
  oval 90x60 hole 25.59 slot 47.24 at 0 deg: 10(136.81,-280.5) 11(136.81,1)
  round 25 hole 25: 12(91.54,-61.42) 12(91.54,-218.9)
  silkscreen extent -89,-281 179,0